# Altium PCB Arduino Core.PcbDoc
Units mil, origin at the board's own origin, x right, y up, seen from the top; angles counter-clockwise.
Board outline 700 x 1700 mil, 2 copper layers (Top Layer, Bottom Layer); 21 components, 34 nets, 117 pads, 36 vias.
Unrouted connection lines stored in the file: 6.
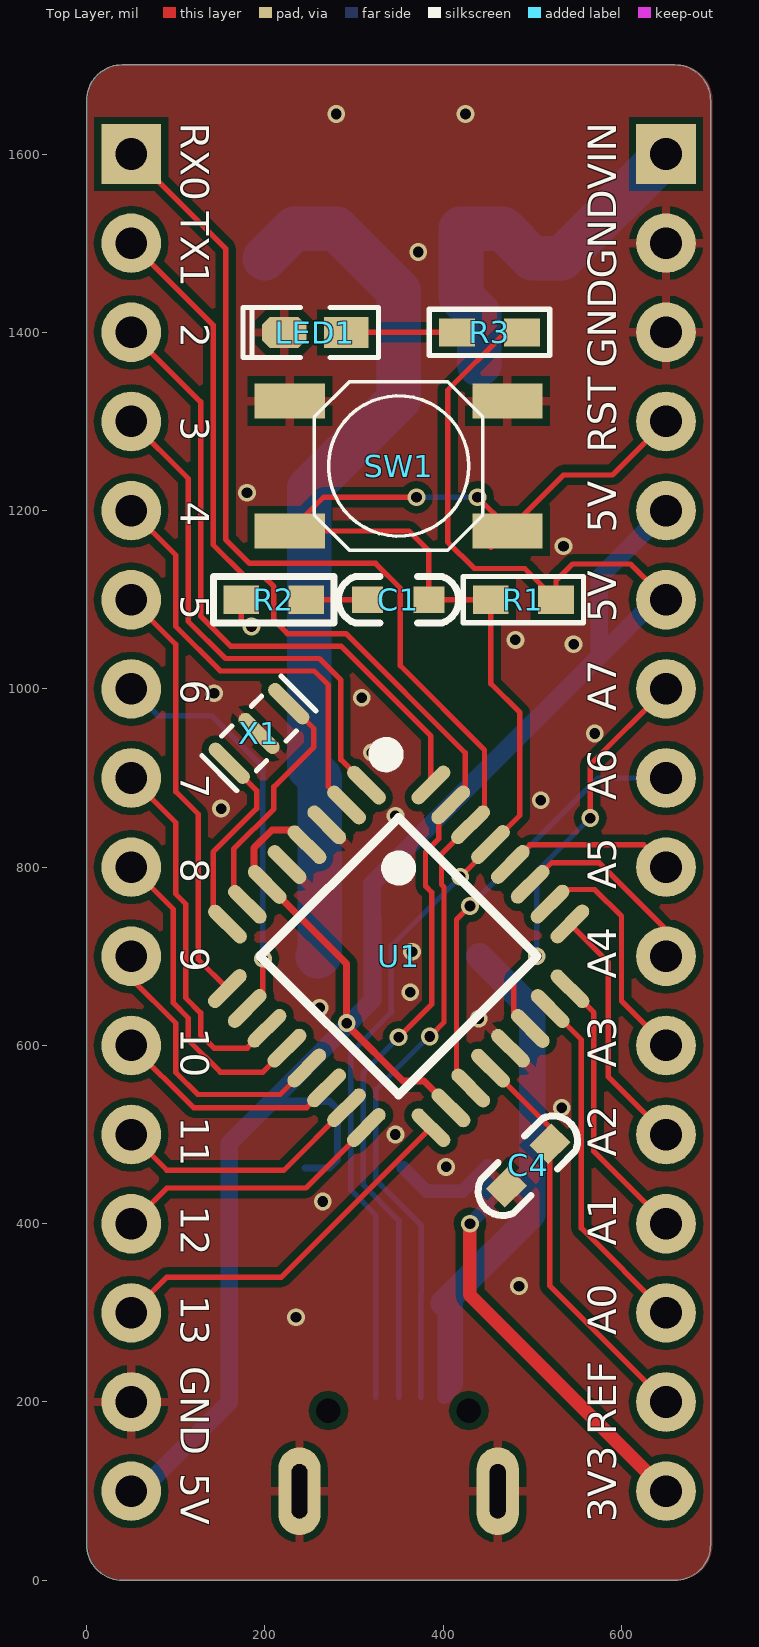
[diagram p0: Top Layer view]
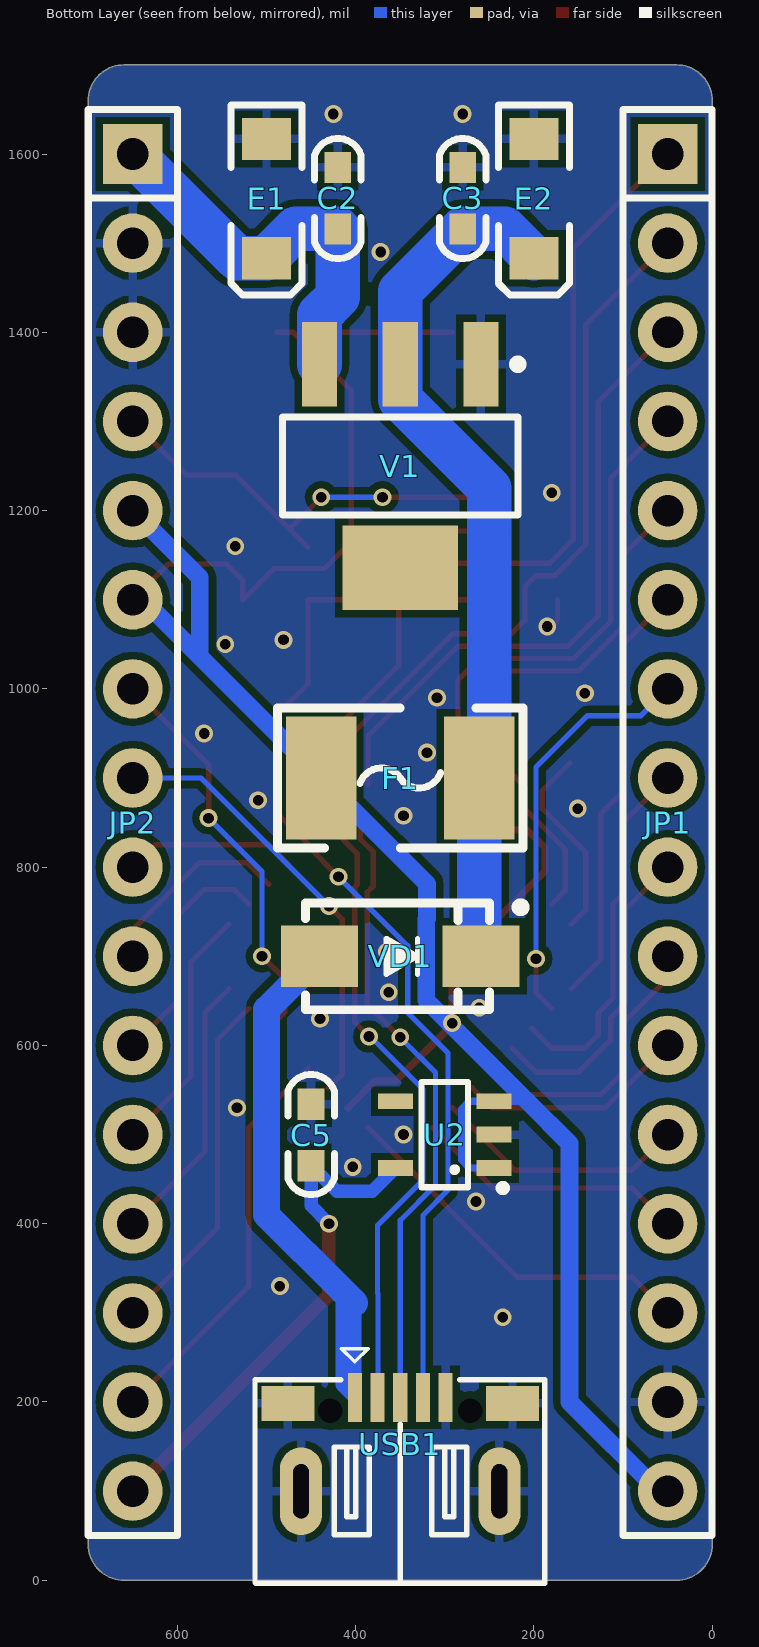
[diagram p1: Bottom Layer view, seen from below]

## Layer stack, top to bottom
Top Solder: solder mask 0.4, Solder Resist, Dk 3.5
Top Layer: signal copper 1.4
Dielectric 1: dielectric 12.6, FR-4, Dk 4.8
Bottom Layer: signal copper 1.4
Bottom Solder: solder mask 0.4, Solder Resist, Dk 3.5

## Board outline
0,40 ccw(c40,40) 40,0 660,0 ccw(c660,40) 700,40 700,1660 ccw(c660,1660) 660,1700 40,1700 ccw(c40,1660) 0,1660

## Design rules (kind name [scope] priority, off if disabled: settings)
Clearance [All] p1: gap=8 ignorepadtopadclearanceinfootprint=FALSE except(0: Arc-Hole Track-Hole SMDPad-Hole THPad-Hole Via-Hole Fill-Hole Poly-Hole Region-Hole Text-Hole)
PolygonConnect [All] p1: thpad.connectstyle=Relief thpad.reliefconductorwidth=10 thpad.reliefentries=4 thpad.polygonreliefangle="90 Angle" thpad.airgapwidth=8 smdpad.connectstyle=Relief smdpad.reliefconductorwidth=10 smdpad.reliefentries=4 smdpad.polygonreliefangle="90 Angle" smdpad.airgapwidth=8 via.connectstyle=Direct via.reliefconductorwidth=10 via.reliefentries=4 via.polygonreliefangle="90 Angle" via.airgapwidth=10
RoutingVias [All] p1: holewidth=12 width=20 viastyle="Through Hole" minholewidth=12 minwidth=20 maxholewidth=12 maxwidth=20
SolderMaskExpansion [All] p1: expansion=4
Width [All] p1: maxlimit=100 minlimit=6 preferedwidth=8
30 further rules are at their usual default settings.

## Components (designator, comment, footprint, x,y, rotation, side; value= is the part's Value field where it differs from the comment)
C1 "104" "C 0603" 350,1100 r0 top
C2 "104" "C 0603" 420,1550 r270 bottom
C3 "104" "C 0603" 280,1550 r270 bottom
C4 "104" "C 0603" 495,465 r225 top
C5 "104" "C 0603" 450,500 r90 bottom
E1 "10uF/25V" "CD A(3216)" 500,1550 r90 bottom
E2 "22uF/10V" "CD A(3216)" 200,1550 r90 bottom
F1 "MSMD200-8V 1A" "FU 1812" 350,900 r0 bottom
JP1 "HDR-1X16" HDR-1X16 50,1600 r270 bottom locked
JP2 "HDR-1X16" HDR-1X16 650,1600 r270 bottom locked
LED1 "红色" "LED 0603B" 256.5,1400 r180 top
R1 "10K" "R 0603" 490,1100 r180 top
R2 "10K" "R 0603" 210,1100 r0 top
R3 "1K" "R 0603" 451.99,1400 r180 top
SW1 "4x4x1.5" TS4x4x1.5 350,1250 r0 top
U1 "ATMEGA328P-MU" "LQFP32 7X7_L" 350,700 r225 top locked
U2 "LP2985-33DBVR" SOT23-5L 300,500 r90 bottom
USB1 "USB-5P" USB-MICRO_D 350,100 r180 bottom locked
V1 "AMS1117-5V" SOT223_N 350,1250 r270 bottom
VD1 "SS14" SMA 350,700 r180 bottom
X1 "16M" T-3213 193.41,950 r225 top

## Footprints (in the part's own frame and the unit in brackets; to place one, negate y for a bottom-side part, rotate by r counter-clockwise, add the part's x,y. Pads: shape width x height; smd on the part's side, far side on the other; paste and mask are expansions set on the pad)
"C 0603" [mil] "无极性贴片电容"
  rect 35x30 smd: 1(-35,0) 2(34,0)
  silkscreen extent -67,-26 67,26, body extent -31,-16 31,16, height 32
"CD A(3216)" [mm] "长3.2mm，宽1.6mm，厚1.6mm"
  rect 1.2x1.4 smd: 1(-1.7,0) 2(1.7,0)
  silkscreen extent -2.74,-1.02 2.67,1.02, body extent -1.6,-0.8 1.6,0.8, height 1.6
"FU 1812" [mm] "贴片保险丝"
  rect 2x3.5 smd: 1(-2.25,0) 2(2.25,0)
  silkscreen extent -3.5,-2 3.5,2, body extent -2.3,-1.61 2.3,1.61, height 0.87
HDR-1X16 [mm] "排针，16脚"
  rect 1.7x1.7 hole 0.9: 1(0,0)
  round 1.7 hole 0.9: 2(2.54,0) 3(5.08,0) 4(7.62,0) 5(10.16,0) 6(12.7,0) 7(15.24,0) 8(17.78,0) 9(20.32,0) 10(22.86,0) 11(25.4,0) 12(27.94,0) 13(30.48,0) 14(33.02,0) 15(35.56,0) 16(38.1,0)
  silkscreen extent -1.27,-1.27 39.37,1.27, body extent -1.27,-1.27 39.37,1.27, height 8.5
"LED 0603B" [mil] "蓝色0603LED"
  rect 50x35 smd: 1(-35,0.26)
  oct 50x35 smd: 2(35,0.26)
  silkscreen extent -71,-28 81,28, body extent -31,-16 32,16, height 24
"LQFP32 7X7_L" [mm] "32脚，体宽7x7mm，脚距0.8mm"
  oval 0.4x1.4 smd: 1(-2.8,-4.096) 2(-2,-4.096) 3(-1.2,-4.096) 4(-0.4,-4.096) 5(0.4,-4.096) 6(1.2,-4.096) 7(2,-4.096) 8(2.8,-4.096) 17(2.8,4.108) 18(2,4.108) 19(1.2,4.108) 20(0.4,4.108) 21(-0.4,4.108) 22(-1.2,4.108) 23(-2,4.108) 24(-2.8,4.108)
  oval 1.4x0.4 smd: 9(4.102,-2.8) 10(4.102,-2) 11(4.102,-1.2) 12(4.102,-0.4) 13(4.102,0.4) 14(4.102,1.2) 15(4.102,2) 16(4.102,2.8) 25(-4.102,2.8) 26(-4.102,2) 27(-4.102,1.2) 28(-4.102,0.4) 29(-4.102,-0.4) 30(-4.102,-1.2) 31(-4.102,-2) 32(-4.102,-2.8)
  silkscreen extent -4.06,-4.57 2.79,2.79, body extent -4.5,-4.5 4.5,4.5, height 1.45
"R 0603" [mil] "1/10W贴片电阻"
  rect 40x31.5 smd: 1(-36.5,0) 2(36.5,0)
  silkscreen extent -68,-26 68,26, body extent -31,-16 32,16, height 16
SMA [mm] "4.5x2.6*2.2mm（长宽高，不包括引脚）"
  rect 2.2x1.75 smd: 1(-2.3,0) 2(2.3,0)
  silkscreen extent -2.7,-1.52 3.56,1.52, body extent -2.52,-1.3 2.57,1.3, height 2.15
SOT23-5L [mm] "3x1.6x1.1mm(长宽高)"
  rect 0.45x1 smd: 1(-0.95,-1.4) 2(0,-1.4) 3(0.95,-1.4) 4(0.95,1.4) 5(-0.95,1.4)
  silkscreen extent -1.6,-1.73 1.5,0.66, body extent -1.5,-1.4 1.5,1.4, height 1.15
SOT223_N [mm] "SOT223, 4-Leads, Body 6.5x3.5mm, Pitch 2.3mm, Lead Span 7mm, IPC Medium Density"
  rect 2.4x1 smd: 1(-2.9,2.3) 2(-2.9,0) 3(-2.9,-2.3)
  rect 2.4x3.3 smd: 4(2.9,0)
  silkscreen extent -3.02,-3.35 1.4,3.47, body extent -1.85,-3.35 1.85,3.35, height 1.7
T-3213 [mm]
  rrect100% 0.4x1.5 smd: 1(-1.2,0) 2(0,0)
  oval 0.4x1.5 smd: 3(1.2,0)
  silkscreen extent -1.6,-0.7 1.6,0.7
TS4x4x1.5 [mm] "防水轻触开关4x4x1.5"
  rect 2x1 smd: 1(-3.1,1.85) 2(-3.1,-1.85) 3(3.1,-1.85) 4(3.1,1.85)
  silkscreen extent -2.4,-2.4 2.4,2.4, body extent -3.2,-2.6 3.2,2.6, height 1.5
USB-MICRO_D [mm] "micro型USB ，5.9*8.2*2.5mm"
  round 0.6 hole 0.7 unplated: 0(-2,2.294) 0(2,2.294)
  rect 0.4x1.4 smd: 1(-1.295,2.667) 2(-0.648,2.667) 3(0,2.667) 4(0.648,2.667) 5(1.295,2.667)
  rect 1.5x1 smd: 5(-3.2,2.5) 5(3.2,2.5)
  oval 1.2x2.5 hole 0.45 slot 1.55 at 90 deg: 5(-2.825,-0.006) 5(2.825,-0.006)
  silkscreen extent -4.14,-2.63 4.11,4.06, body extent -4,-2.72 4,2.88, height 2.8

## Part data
C1 C2 C3 C4 C5: library part C, "无极性贴片电容"
E1 E2: library part C-CD, "贴片钽电容"
F1: library part FU, "贴片保险丝"
JP1 JP2: library part "Header 16", "16P接插件"
LED1: library part LED-SMD, "贴片LED"
R1 R2 R3: library part R, "贴片电阻"
SW1: library part TS-030, "防水轻触开关"
U1: library part ATMEGA328P, "AVR单片机"
U2: library part LP2985-XXDBVR33
USB1: "微型USB母座"
V1: library part AMS1117, "三端稳压芯片"
VD1: "肖特基二极管"
X1: library part XTAL-3, "3脚晶振"

## Via types
v1: diameter 20, hole 12, Top Layer to Bottom Layer, 36 vias

## Nets (pads, with @x,y where several pads share a name; then routed paths per layer and width w, separated by ;. In a path a pad name is that pad's centre, name@x,y a point inside that pad or via, vN(x,y) a via of type N, cw(c..) or ccw(c..) an arc to the next point about the centre after c; other vN are vias at no path point)
3V3: C5.1 JP2.16 U2.5 | length 582.1
  Top Layer w15: v1(430,400) 430,320 JP2.16
  Bottom Layer w15: U2.5 381.5,436.22 421.22,436.22 C5.1 450,420 v1(430,400)
5V: C3.2 E2.1 F1.1 V1.2 VD1.2 | length 985.6
  Bottom Layer w50: E2.1 232.93,1516 C3.2 350,1446 V1.2 350,1325 250,1225 250,911.42 F1.1 261.42,701.97 VD1.2
A0: JP2.14 U1.23 | length 395.2
  Top Layer w6: U1.23 555,606.36 555,395 JP2.14
A1: JP2.13 U1.24 | length 308.2
  Top Layer w6: U1.24 569,636.9 569,481 JP2.13
A2: JP2.12 U1.25 | length 280.9
  Top Layer w6: U1.25 585,693.37 585,565 JP2.12
A3: JP2.11 U1.26 | length 265.1
  Top Layer w6: U1.26 536.36,775 570,775 600,745 600,650 JP2.11
A4: JP2.10 U1.27 | length 223.5
  Top Layer w6: U1.27 521.81,805 575,805 650,730 JP2.10
A5: JP2.9 U1.28 | length 194.1
  Top Layer w6: U1.28 497.27,825 625,825 JP2.9
A6: JP2.8 U1.19 | length 496.5
  Top Layer w6: v1(430,756.42) 415,741.42 415,568.19 U1.19
  Bottom Layer w6: v1(430,756.42) 573.58,900 JP2.8
A7: JP2.7 U1.22 | length 459.3
  Top Layer w6: U1.22 479.3,637.51 479.3,674.3 v1(505,700) ; v1(565,855) 565,915 JP2.7
  Bottom Layer w6: v1(505,700) 505,795 v1(565,855)
AREF: C4.1 JP2.15 U1.20 | length 456
  Top Layer w6: U1.20 519.75,507.98 C4.1 519.75,330.25 JP2.15
D0: JP1.1 U1.30 USB1.2 | length 1719.3
  Top Layer w6: JP1.1 156,1494 156,1167.5 182.75,1140.75 324.25,1140.75 351.83,1113.17 351.83,1026.05 446.45,931.44 446.45,863.26 U1.30 398.18,814.99 398.18,780.48 401,777.65 401,626 v1(385,610)
  Bottom Layer w6: USB1.2 375,205.5 375,321.77 375.5,322.27 375.5,398.12 324.43,449.18 324.43,550.82 385,611.38 v1(385,610)
D1: JP1.2 U1.31 USB1.3 | length 1570.4
  Top Layer w6: JP1.2 142,1408 142,1161.7 176.95,1126.75 198.06,1126.75 210,1114.8 210,1077.27 225.27,1062 290.98,1062 424.68,928.3 424.68,886.03 U1.31 395,856.36 395,831.61 380.14,816.76 380.14,778.71 387,771.85 387,646.08 v1(350,609.08)
  Bottom Layer w6: USB1.3 350,403.82 310.43,443.38 310.43,569.52 v1(350,609.08)
D2: JP1.3 U1.32 | length 719.5
  Top Layer w6: JP1.3 128,1322 128,1081.6 161.6,1048 285.18,1048 386.23,946.94 U1.32
D3: JP1.4 U1.1 | length 579.1
  Top Layer w6: JP1.4 114,1236 114,1075.8 155.8,1034 261.2,1034 285.26,1009.94 285.26,920.64 U1.1
D4: JP1.5 U1.2 | length 492.1
  Top Layer w6: JP1.5 100,1150 100,1070 150,1020 255.4,1020 271.26,1004.14 271.26,890.1 U1.2
D5: JP1.6 U1.9 | length 480.9
  Top Layer w6: JP1.6 100,1050 100,884.69 125.24,859.45 125.24,696.39 U1.9
D6: JP1.7 U1.10 | length 462.1
  Top Layer w6: U1.10 197.73,659.08 v1(197.73,697.27)
  Bottom Layer w6: JP1.7 80,970 140,970 197.73,912.27 v1(197.73,697.27)
D7: JP1.8 U1.11 | length 410.3
  Top Layer w6: JP1.8 100,850 100,769.8 111.24,758.56 111.24,653.36 128,636.6 128,611.8 142.85,596.95 180.14,596.95 U1.11
D8: JP1.9 U1.12 | length 357.3
  Top Layer w6: JP1.9 97.24,752.76 97.24,647.56 114,630.8 114,606 150,570 197.73,570 U1.12
D9: JP1.10 U1.13 | length 320.4
  Top Layer w6: JP1.10 50,675 100,625 100,569.8 124.8,545 217.27,545 U1.13
D10: JP1.11 U1.14 | length 257.4
  Top Layer w6: JP1.11 119.86,530.14 246.95,530.14 U1.14
D11: JP1.12 U1.15 | length 287.1
  Top Layer w6: JP1.12 90,460 221.36,460 U1.15
D12: JP1.13 U1.16 | length 308.4
  Top Layer w6: JP1.13 90,440 245.9,440 U1.16
D13: JP1.14 U1.17 | length 422.4
  Top Layer w6: JP1.14 90,340 218.7,340 U1.17
GND: C2.1 C3.1 C4.2 C5.2 E1.2 E2.2 JP1.15 JP2.2 JP2.3 LED1.2 R2.1 SW1.1 SW1.4 U1.3 U1.5 U1.21 U2.2 USB1.5 V1.1 X1.2 | length 38.1
  Top Layer w6: R2.1 173.5,1075.79 179.29,1070 v1(185,1070)
  other v1: 235,295 485,330 265,425 403.35,463.78 346.35,500 533.07,530 440,630 261.42,642.27 362.98,659.6 365,705 346.35,857.59 150.88,865.67 509.39,875 320,928.49 570,950 308.71,990 142.85,995 546.39,1050 480.98,1055 535,1160 180,1220 372.02,1490 280,1645 425,1645
MCU_RESET: C1.2 JP2.4 R1.2 SW1.2 SW1.3 U1.29 USB1.4 | length 1821.1
  Top Layer w6: v1(370,1215) 265.79,1215 SW1.2 361.45,1177.17 384,1154.62 C1.2 R1.2 453.5,1005.71 485.96,973.25 485.96,858.23 U1.29 453.05,823.05 v1(419.18,789.18) ; v1(438.58,1215) 472.05,1181.54 SW1.3 ; SW1.3@453.5,1158.62 SW1.3 ; JP2.4 590,1240 534.88,1240 SW1.3
  Bottom Layer w6: USB1.4 324.5,409.52 296.43,437.59 296.43,591.43 341.76,636.76 341.76,711.76 v1(419.18,789.18) ; v1(370,1215) v1(438.58,1215)
NetC1_1: C1.1 R2.2 | length 68.5
  Top Layer w6: R2.2 C1.1
NetLED1_1: LED1.1 R3.2 | length 124.1
  Top Layer w6: LED1.1 291.75,1400 R3.2
NetU1_7: U1.7 X1.1 | length 280.4
  Top Layer w6: U1.7 165,773.64 165,820.19 210,865.19 210,890 255,935 255,955.22 X1.1
NetU1_8: U1.8 X1.3 | length 220
  Top Layer w6: U1.8 142,752.1 142,816.99 190.68,865.67 190.68,885.91 X1.3
NetUSB1_1: USB1.1 VD1.1 | length 686.4
  Bottom Layer w15: 401,311 USB1.1 415,219 415,325
  Bottom Layer w30: 401,311 415,325 500,410 500,640.55 VD1.1
VCC: F1.2 JP1.16 JP2.5 JP2.6 R1.1 R3.1 U1.4 U1.6 U1.18 U2.1 U2.3 | length 2701.2
  Top Layer w6: R3.1 470,1400 405,1335 405,1165 435,1135 491.5,1135 R1.1 526.5,1121.5 545,1140 610,1140 JP2.6
  Top Layer w8: U1.4 230.45,841.82 207.84,841.82 187.68,821.66 187.68,795.5 U1.6 291.75,691.44 v1(291.75,625) 291.75,623.25 355,560 378.64,560 U1.18
  Bottom Layer w8: 207.4,537.4 U2.3 272.6,537.4 281.43,528.57 281.43,471.43 272.6,462.6 U2.1
  Bottom Layer w20: JP1.16 60,100 160,200 160,490 207.4,537.4 320.76,650.76 320.76,741.9 320,742.66 320,781.42 F1.2 575,1036.42 ; JP2.6 638.58,1100 575,1036.42 ; JP2.5 575,1125 575,1036.42
Vin: C2.2 E1.1 JP2.1 V1.3 | length 452.4
  Bottom Layer w50: V1.3 440.55,1419.45 420,1440 C2.2 467.07,1516 E1.1 533.07,1483.07 JP2.1
pads on no net: U2.4 USB1.0 V1.4

## Polygon pours and split planes (outlines as drawn)
GND on Bottom Layer "GND_L02_P003" (solid, remove dead copper, pour order 3): 0,40 ccw(c40,40) 40,0 660,0 ccw(c660,40) 700,40 700,1660 ccw(c660,1660) 660,1700 40,1700 ccw(c40,1660) 0,1660
GND on Top Layer "GND_L01_P002" (solid, remove dead copper, pour order 2): 1.83,40.31 ccw(c41.83,40.31) 41.83,0.31 661.83,0.31 ccw(c661.83,40.31) 701.83,40.31 701.83,1660.31 ccw(c661.83,1660.31) 661.83,1700.31 41.83,1700.31 ccw(c41.83,1660.31) 1.83,1660.31

## Silkscreen, mask and mechanical layers (free items; w line width, h text height)
Top Overlay:
  text "RX0" at 95,1635 h55 r270
  text "VIN" at 605,1560 h55 r90
  text "TX1" at 95,1535 h55 r270
  text "GND" at 605,1460 h55 r90
  text "2" at 95,1410 h55 r270
  text "GND" at 605,1360 h55 r90
  text "3" at 95,1305 h55 r270
  text "RST" at 605,1265 h55 r90
  text "4" at 95,1210 h55 r270
  text "5V" at 605,1175 h55 r90
  text "5" at 95,1105 h55 r270
  text "5V" at 605,1075 h55 r90
  text "6" at 95,1010 h55 r270
  text "A7" at 605,975 h55 r90
  text "7" at 95,905 h55 r270
  text "A6" at 605,875 h55 r90
  text "8" at 95,810 h55 r270
  text "A5" at 605,775 h55 r90
  text "9" at 95,710 h55 r270
  text "A4" at 605,675 h55 r90
  text "10" at 95,620 h55 r270
  text "A3" at 605,575 h55 r90
  text "11" at 95,520 h55 r270
  text "A2" at 605,475 h55 r90
  text "12" at 95,420 h55 r270
  text "A1" at 605,375 h55 r90
  text "13" at 95,320 h55 r270
  text "A0" at 605,275 h55 r90
  text "GND" at 95,240 h55 r270
  text "REF" at 605,162.6 h55 r90
  text "5V" at 95,120 h55 r270
  text "3V3" at 605,65 h55 r90
Top Solder:
  drawing of 1389 lines, arcs and shapes, not listed
Mechanical 1:
  the board outline again, w5.91